# KiCad board panel.kicad_pcb (continued)
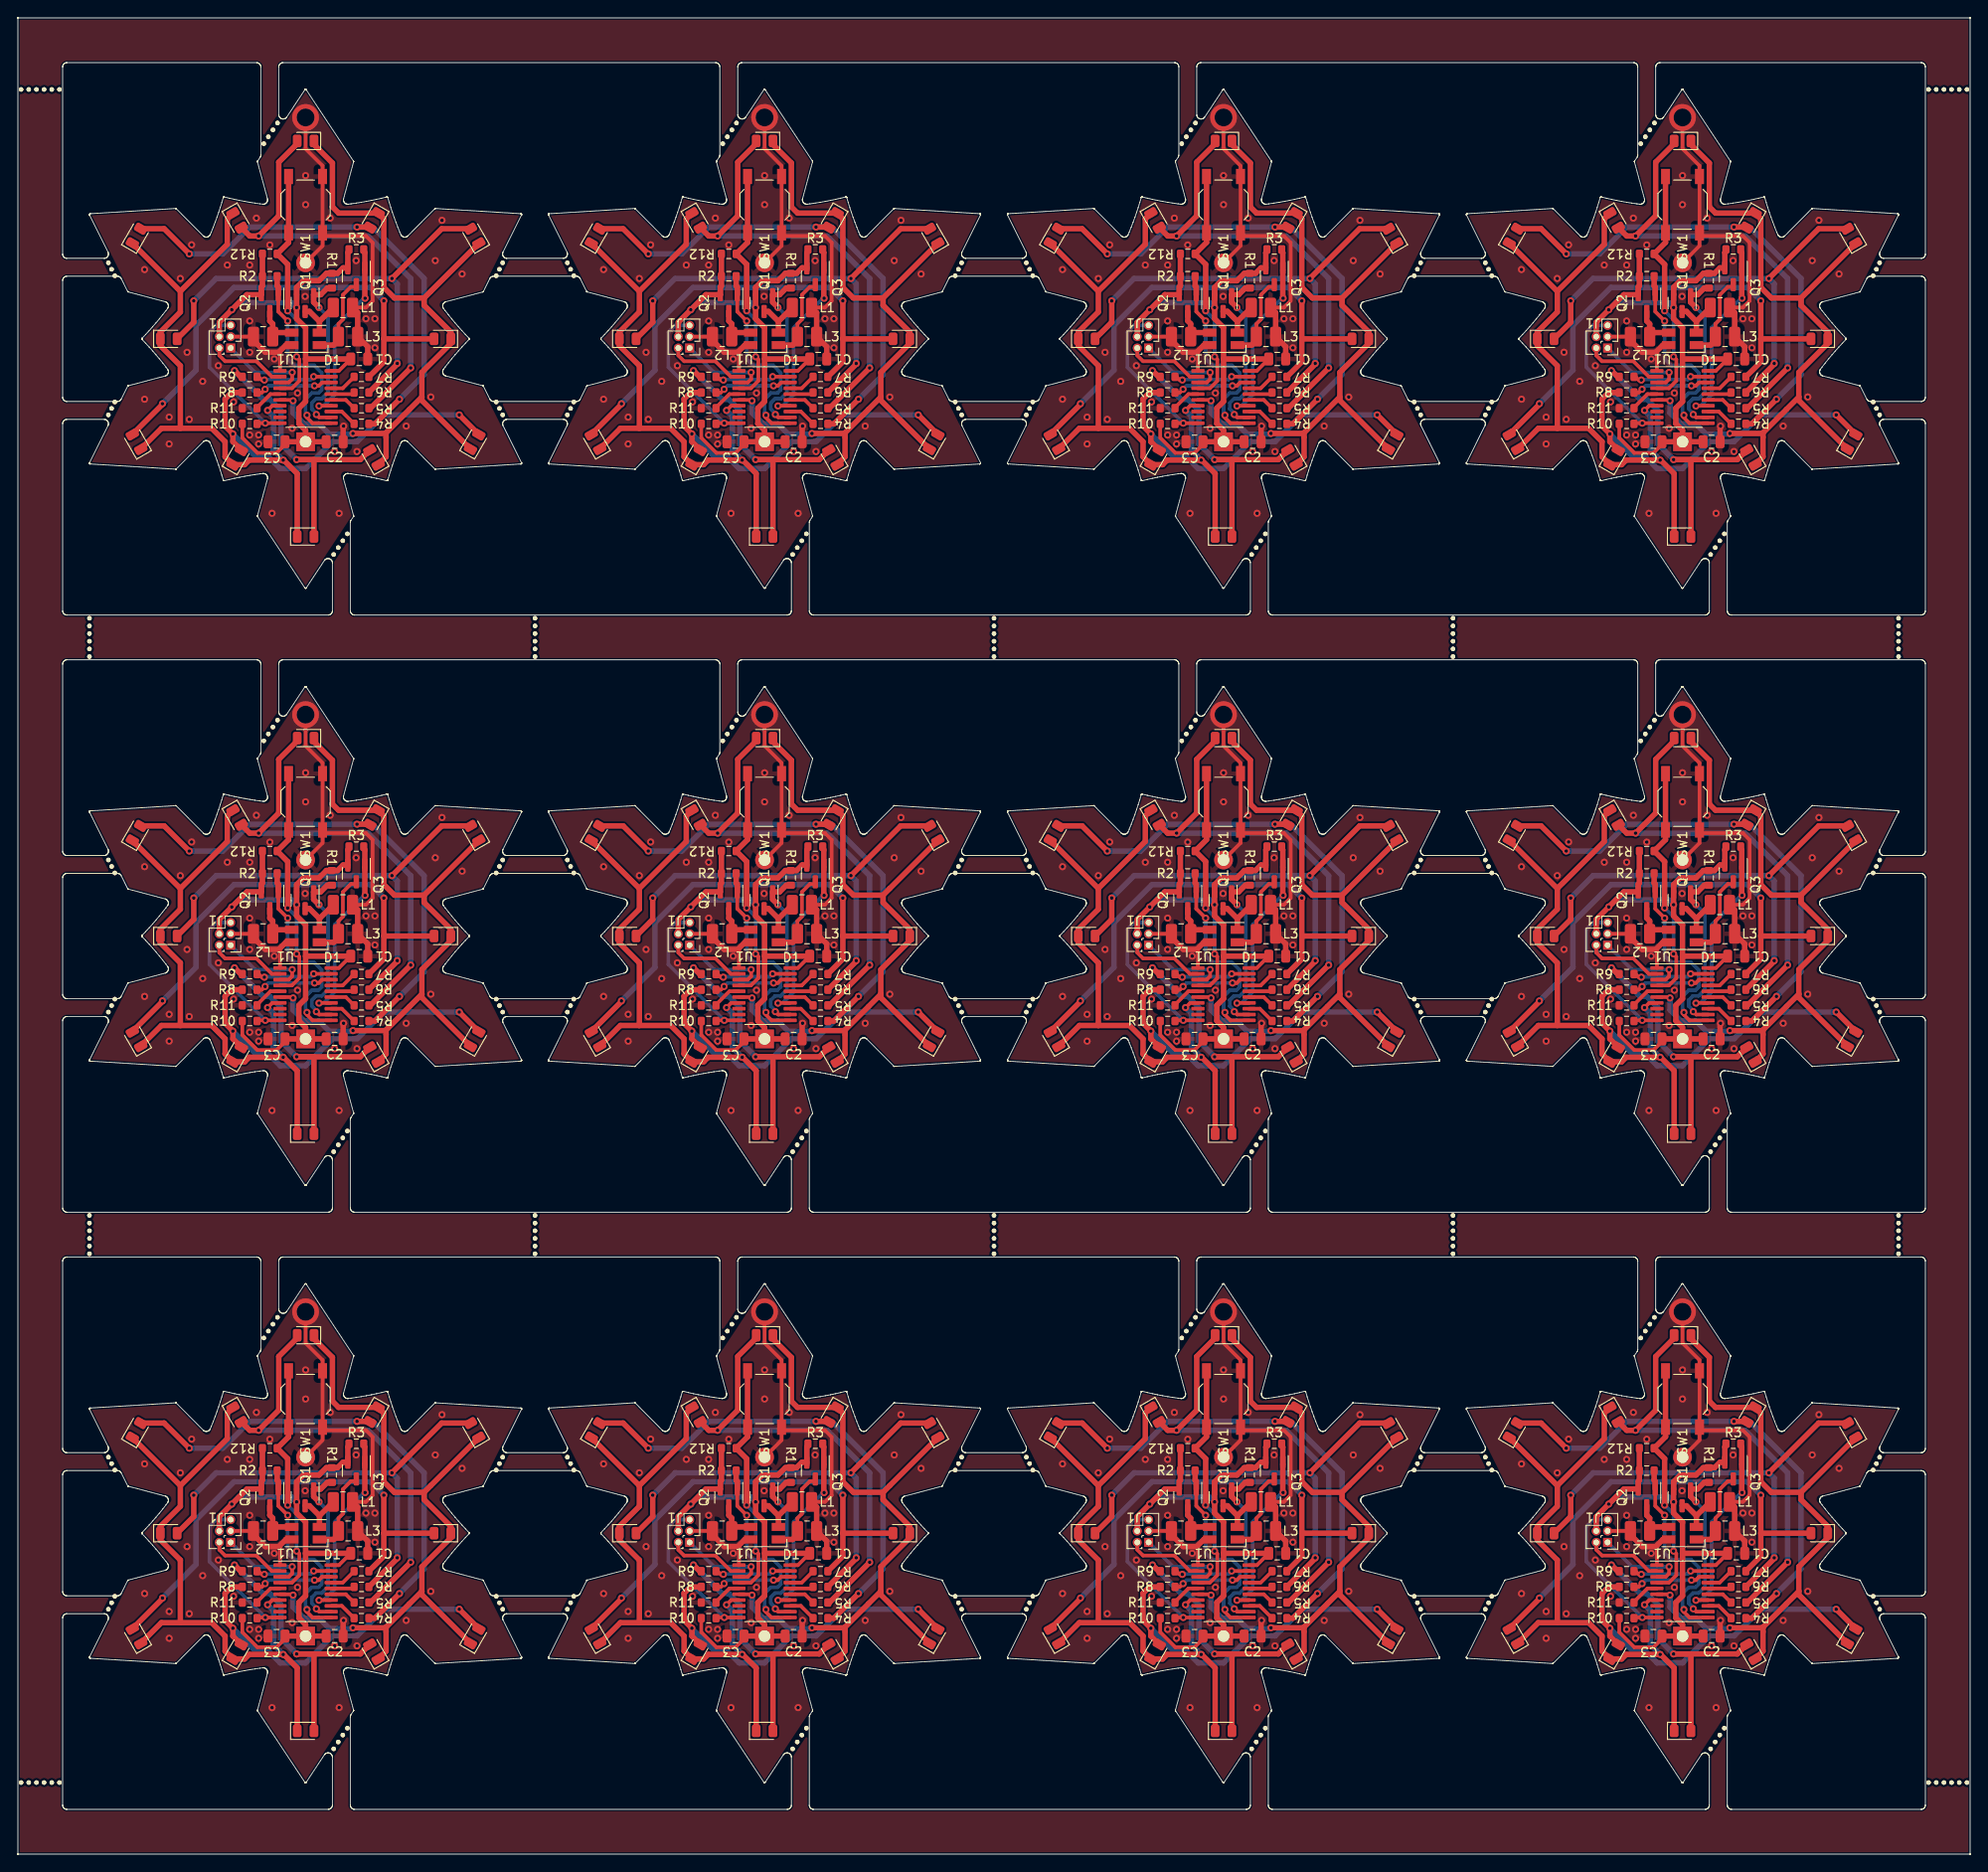
[diagram p0: board, top side]
## Routing (per net, layer and track width the routed paths; a pad name or vN(x,y) marks a point on that pad's centre or on a via; arc(x,y) is an arc through that point) (continued)
Board_5-Net-(U1-PB6/PF4-BOOT0): length 3.3
  Top w0.406: U1#2.5 79.55,96.46 78.05,94.96 R11#9.2
Board_5-VCC: length 67.1
  Top w0.406: C1#4.2 87.2,99.06 U1#2.20 ; R10#4.1 76.4,91.57 78.09,89.88 80.22,89.88 81.17,90.83 C3#11.1
  Top w0.61: 83.47,100.38 83.47,103.88 82.47,104.88 Q1#3.2 82.47,108.38 83.22,109.13 84.97,109.13 85.8,109.96 R1#2.1 87.05,109.96 87.66,110.57 Q3#10.2 ; 83.47,100.38 83.47,95.63 82.72,94.88 82.72,93.16 83.47,92.41 BT1#4.1 ; 83.47,100.38 C1#4.2 ; BT1#4.1 C2#3.1 ; BT1#4.1 C3#11.1 ; R12#3.2 R2#11.1 78.65,108.56 78.52,108.43 Q2#3.2 76.91,107.57 73.83,104.49 J1#4.4 ; 88.2,110.32 88.2,112.26 88.32,112.38
  Bottom w0.61: v1(75.22,105.88) 76.01,106.67 81.93,106.67 v1(82.47,106.13)
Board_6-/B: length 19.5
  Top w0.406: U1#11.12 136.31,93.86 v1(135.99,94.18)
  Top w0.61: v1(136.29,106.13) 135.69,106.73 Q1#11.1 136.47,107.57 137.21,108.31 R1#6.2
  Bottom w0.406: v1(135.99,94.18) 135.99,94.29 135.48,94.8 135.48,95.46 135.95,95.93 136.59,95.93 137.29,96.63 137.29,105.13 v1(136.29,106.13)
Board_6-/G: length 21.3
  Top w0.406: v1(136.29,95.13) 136.31,95.16 U1#11.14 ; 141.35,110.38 141.41,110.32
  Top w0.61: v1(141.44,107.17) 141.41,107.2 141.41,112.26 141.29,112.38
  Bottom w0.406: v1(141.44,107.17) 141.33,107.17 138.04,103.88 138.04,96.38 136.79,95.13 v1(136.29,95.13)
Board_6-/L1: length 3.1
  Top w0.406: U1#11.13 138.84,94.51 R4#11.2
Board_6-/L2: length 2.9
  Top w0.406: R5#5.2 139.29,95.81 U1#11.15
Board_6-/L3: length 2.6
  Top w0.406: U1#11.16 140.04,96.46 R6#7.2
Board_6-/L4: length 3.1
  Top w0.406: U1#11.17 138.94,97.11 R7#3.2
Board_6-/L5: length 8.8
  Top w0.406: U1#11.18 136.64,97.76 136.26,97.38 v1(135.79,97.38) ; v1(130.26,96.99) 129.9,96.63 R8.2
  Bottom w0.406: v1(135.79,97.38) 130.65,97.38 v1(130.26,96.99)
Board_6-/L6: length 8.6
  Top w0.406: v1(135.69,98.41) U1#11.19 ; R9#7.2 129.54,98.38 129.89,98.03 v1(130.18,98.03)
  Bottom w0.406: v1(130.18,98.03) 130.23,98.08 135.36,98.08 v1(135.69,98.41)
Board_6-/MPX1: length 81.4
  Top w0.406: v1(133.39,95.71) 133.29,95.81 U1#11.6
  Top w0.61: 148.04,107.2 D7#5.1 ; 148.04,107.2 144.72,107.2 143.54,108.38 143.54,116.06 D3#9.1 138.47,116.69 137.79,117.38 137.79,122.29 135.72,124.35 D5.1 ; 148.04,107.2 148.04,106.38 151.02,103.39 D9#6.1 151.02,102.12 147.79,98.88 147.79,96.13 ; 143.79,92.13 147.79,96.13 ; 143.79,92.13 143.71,92.06 v1(140.09,92.06) ; 143.79,92.13 143.79,89.45 D13#6.1 ; 147.79,96.13 147.79,95.75 D11#5.1
  Bottom w0.61: v1(140.09,92.06) 140.01,91.98 137.44,91.98 136.29,93.13 134.62,93.13 133.39,94.37 v1(133.39,95.71)
Board_6-/MPX2: length 72.8
  Top w0.406: U1#11.7 131.06,95.16 v1(130.54,94.63)
  Top w0.61: D8#2.1 118.67,92.63 120.79,92.63 ; 120.79,107.95 120.79,105.63 118.55,103.39 D6#9.1 118.55,101.87 120.79,99.63 120.79,92.63 ; 120.79,107.95 126.04,113.2 126.04,116.06 D4#11.1 ; 120.79,107.95 D2.1 ; 120.79,92.63 124.29,92.63 125.79,91.13 125.79,89.45 D10#2.1 127.97,88.57 128.48,89.08 v1(132.29,89.08) 132.34,89.08 133.85,87.57 D12#4.1
  Bottom w0.61: v1(130.54,94.63) 131.19,93.98 131.19,90.17 v1(132.29,89.08)
Board_6-/nRST: length 18
  Top w0.406: R10#10.2 129.44,93.21 U1#11.10
  Bottom w0.406: J1#9.5 124.8,104.15 124.04,103.38 124.04,99.46 v1(130.29,93.21)
Board_6-/R: length 23.4
  Top w0.406: U1#11.11 135.56,93.21 134.94,93.83 v1(134.94,94.09) ; v1(132.79,104.63) 131.74,105.68 Q2#11.1
  Top w0.61: R2#2.2 131.61,108.56 131.74,108.43 Q2#11.1
  Bottom w0.406: v1(132.79,104.63) 132.79,100.38 133.48,99.68 135.73,99.68 136.59,98.83 136.59,96.93 136.23,96.58 135.48,96.58 134.79,95.88 134.79,94.41 134.94,94.25 v1(134.94,94.09)
Board_6-/SWC: length 10.3
  Top w0.406: v1(133.29,98.88) 133.29,98.13 132.91,97.76 U1#11.3
  Bottom w0.406: J1#9.1 129.14,98.88 v1(133.29,98.88)
Board_6-/SWD: length 8.6
  Top w0.406: J1#9.2 125.14,100.78 125.79,100.13 129.29,100.13 131.01,98.41 U1#11.2
Board_6-GND: length 51.4
  Top w0.406: SW1#4.2 SW1#4.2 136.69,121.98 134.79,123.88 v2(134.79,127.38) ; SW1#4.2 136.69,113.03 BT1#5.2 ; SW1#4.2 137.04,114.13 141.54,114.13 142.29,113.38 142.29,106.88 141.54,106.13 L1.2 ; 131.79,101.13 131.92,100.99 U1#11.1 ; J1#9.3 128.96,102.88 L2.2
  Top w0.61: L1.2 140.61,105.56 L3#9.2 141.74,101.76 C1#11.1 ; D1#5.1 132.59,101.93 131.79,101.13 130.29,101.13 128.96,102.46 L2.2 ; v1(139.04,92.88) 138.99,92.83 C2#10.2
  vias: v1(116.79,110.38) v1(116.79,95.88) v1(119.54,93.88) v1(119.54,90.88) v1(120.79,109.38) v1(121.54,101.13) v1(121.79,93.63) v1(122.05,113.14) v1(123.29,97.88) v1(125.04,99.63) v1(126.04,110.88) v1(126.74,95.58) v1(128.54,110.88) v1(128.54,104.63) v1(128.54,101.13) v1(128.54,91.88) v1(129.29,116.13) v1(129.54,91.88) v1(129.54,90.88) v1(130.79,113.13) v1(131.04,83.13) v1(131.29,100.38) v1(133.29,92.63) v1(133.88,96.58) v1(134.74,107.38) v1(134.79,120.88) v1(134.79,117.63) v1(137.54,116.13) v1(138.04,90.03) v1(138.54,83.13) v1(140.44,111.38) v1(140.53,90.04) v1(141.54,104.88) v1(142.54,104.88) v1(142.54,101.63) v1(146.04,92.88) v1(148.79,96.13) v1(149.29,111.38) v1(150.04,115.88) v1(152.29,109.88)
Board_6-Net-(D1-BK): length 5.5
  Top w0.61: D1#5.4 136.34,104.58 ; 136.34,104.58 135.22,105.69 Q1#11.3 ; 136.34,104.58 L1.1
Board_6-Net-(D1-GK): length 9.5
  Top w0.406: L3#9.1 138.46,104.31 138.96,104.81 138.96,107.56 139.85,108.44 140.46,108.44
  Top w0.61: D1#5.3 137.92,101.93 138.46,102.47 L3#9.1
Board_6-Net-(D1-RK): length 5.3
  Top w0.61: Q2#11.3 130.79,104.63 131.11,104.31 L2.1 131.56,103.33 D1#5.2
Board_6-Net-(D2-A): length 57
  Top w0.61: R4#11.1 142.54,93.13 v1(145.29,95.88) ; v1(140.54,115.13) 141.91,115.13 D3#9.2 ; v1(121.79,112.13) 118.97,114.94 D2.2
  Bottom w0.61: 145.35,95.94 148.04,98.63 148.04,109.38 142.29,115.13 v1(140.54,115.13) 128.54,115.13 125.54,112.13 v1(121.79,112.13)
Board_6-Net-(D4-A): length 50.2
  Top w0.61: R5#5.1 142.04,94.88 v1(146.54,99.38) ; D4#11.2 128.54,114.13 v1(129.54,114.13) 131.79,116.38 131.79,122.38 133.85,124.44 D5.2
  Bottom w0.61: v1(146.54,99.38) 146.54,109.38 141.79,114.13 v1(129.54,114.13)
Board_6-Net-(D6-A): length 53.6
  Top w0.61: D7#5.2 150,114.94 v1(144.44,109.38) ; v1(122.29,106.88) 122.29,104.49 D6#9.2 ; v1(145.04,99.88) 145.04,99.81 R6#7.1
  Bottom w0.61: v1(145.04,99.88) 145.04,108.78 v1(144.44,109.38) 124.79,109.38 v1(122.29,106.88)
Board_6-Net-(D8-A): length 53.3
  Top w0.61: D9#6.2 143.54,102.63 ; 143.54,102.63 143.54,100.06 R7#3.1 ; 143.54,102.63 v1(143.54,106.88) ; D8#2.2 118.79,95.31
  Bottom w0.61: v1(143.54,106.88) 142.04,108.38 126.79,108.38 122.54,104.13 122.54,99.13 v1(118.79,95.38)
Board_6-Net-(D10-A): length 41.2
  Top w0.61: R8.1 126.51,96.63 125.79,95.91 125.79,92.88 v1(126.66,92.01) 126.66,91.14 D10#2.2 ; v1(151.97,94.13) D11#5.2
  Bottom w0.61: v1(151.97,94.13) 143.54,94.13 140.56,91.15 137.81,91.15 134.79,88.13 131.95,88.13 130.7,89.38 129.29,89.38 v1(126.66,92.01)
Board_6-Net-(D12-A): length 33.6
  Top w0.61: D13#6.2 140.91,89.13 v1(133.79,89.13) 135.72,89.13 D12#4.2 ; R9#7.1 127.54,98.38 v1(126.84,99.08)
  Bottom w0.61: v1(133.79,89.13) 132.04,90.88 132.04,94.63 130.79,95.88 130.04,95.88 v1(126.84,99.08)
Board_6-Net-(SW1A-A): length 26.9
  Top w0.406: U1#11.4 133.26,97.11 134.09,97.93 134.09,100.33 v1(133.79,100.63)
  Top w0.61: v1(132.79,105.77) 132.79,110.96 R12#7.1 132.89,113.41 SW1#4.1 SW1#4.1
  Bottom w0.406: v1(132.79,105.77) 133.79,104.77 v1(133.79,100.63)
Board_6-Net-(U1-PB6/PF4-BOOT0): length 3.3
  Top w0.406: U1#11.5 130.86,96.46 129.36,94.96 R11#2.2
Board_6-VCC: length 67.1
  Top w0.406: R10#10.1 127.71,91.57 129.4,89.88 131.54,89.88 132.49,90.83 C3#12.1 ; C1#11.2 138.51,99.06 U1#11.20
  Top w0.61: R12#7.2 R2#2.1 129.96,108.56 129.84,108.43 Q2#11.2 128.22,107.57 125.14,104.49 J1#9.4 ; 134.79,100.38 134.79,103.88 133.79,104.88 Q1#11.2 133.79,108.38 134.54,109.13 136.29,109.13 137.11,109.96 R1#6.1 138.36,109.96 138.97,110.57 Q3#5.2 ; 134.79,100.38 134.79,95.63 134.04,94.88 134.04,93.16 134.79,92.41 BT1#5.1 ; 134.79,100.38 C1#11.2 ; BT1#5.1 C3#12.1 ; BT1#5.1 C2#10.1 ; 139.51,110.32 139.51,112.26 139.64,112.38
  Bottom w0.61: v1(133.79,106.13) 133.25,106.67 127.33,106.67 v1(126.54,105.88)
Board_7-/B: length 19.5
  Top w0.406: v1(187.3,94.18) 187.62,93.86 U1#3.12
  Top w0.61: v1(187.6,106.13) 187,106.73 Q1#12.1 187.79,107.57 188.52,108.31 R1#5.2
  Bottom w0.406: v1(187.6,106.13) 188.6,105.13 188.6,96.63 187.9,95.93 187.27,95.93 186.79,95.46 186.79,94.8 187.3,94.29 v1(187.3,94.18)
Board_7-/G: length 21.3
  Top w0.406: v1(187.6,95.13) 187.62,95.16 U1#3.14 ; 192.66,110.38 192.72,110.32
  Top w0.61: 192.6,112.38 192.72,112.26 192.72,107.2 v1(192.75,107.17)
  Bottom w0.406: v1(192.75,107.17) 192.64,107.17 189.35,103.88 189.35,96.38 188.1,95.13 v1(187.6,95.13)
Board_7-/L1: length 3.1
  Top w0.406: R4#12.2 190.15,94.51 U1#3.13
Board_7-/L2: length 2.9
  Top w0.406: U1#3.15 190.6,95.81 R5#9.2
Board_7-/L3: length 2.6
  Top w0.406: R6#12.2 191.35,96.46 U1#3.16
Board_7-/L4: length 3.1
  Top w0.406: R7#10.2 190.25,97.11 U1#3.17
Board_7-/L5: length 8.8
  Top w0.406: v1(187.1,97.38) 187.57,97.38 187.95,97.76 U1#3.18 ; R8#8.2 181.21,96.63 v1(181.57,96.99)
  Bottom w0.406: v1(181.57,96.99) 181.96,97.38 v1(187.1,97.38)
Board_7-/L6: length 8.6
  Top w0.406: v1(181.49,98.03) 181.2,98.03 180.85,98.38 R9#6.2 ; v1(187,98.41) U1#3.19
  Bottom w0.406: v1(187,98.41) 186.67,98.08 181.54,98.08 v1(181.49,98.03)
Board_7-/MPX1: length 81.4
  Top w0.406: U1#3.6 184.6,95.81 v1(184.7,95.71)
  Top w0.61: D11#11.1 199.1,95.75 199.1,96.13 ; 199.1,96.13 195.1,92.13 ; 199.1,96.13 199.1,98.88 202.34,102.12 D9#4.1 202.34,103.39 199.35,106.38 199.35,107.2 ; 199.35,107.2 196.03,107.2 194.85,108.38 194.85,116.06 D3.1 189.79,116.69 189.1,117.38 189.1,122.29 187.04,124.35 D5#4.1 ; 199.35,107.2 D7#12.1 ; D13#4.1 195.1,89.45 195.1,92.13 ; 195.1,92.13 195.02,92.06 v1(191.4,92.06)
  Bottom w0.61: v1(184.7,95.71) 184.7,94.37 185.93,93.13 187.6,93.13 188.75,91.98 191.32,91.98 v1(191.4,92.06)
Board_7-/MPX2: length 72.8
  Top w0.406: U1#3.7 182.37,95.16 v1(181.85,94.63)
  Top w0.61: D12#3.1 185.16,87.57 183.65,89.08 v1(183.6,89.08) 179.8,89.08 179.29,88.57 D10#5.1 177.1,89.45 177.1,91.13 175.6,92.63 172.1,92.63 ; 172.1,92.63 169.98,92.63 D8#5.1 ; 172.1,92.63 172.1,99.63 169.86,101.87 D6#10.1 169.86,103.39 172.1,105.63 172.1,107.95 ; D4#9.1 177.35,116.06 177.35,113.2 172.1,107.95 ; 172.1,107.95 D2#4.1
  Bottom w0.61: v1(181.85,94.63) 182.5,93.98 182.5,90.17 v1(183.6,89.08)
Board_7-/nRST: length 18
  Top w0.406: R10#9.2 180.75,93.21 U1#3.10
  Bottom w0.406: v1(181.6,93.21) 175.35,99.46 175.35,103.38 176.11,104.15 J1#2.5
Board_7-/R: length 23.4
  Top w0.406: U1#3.11 186.87,93.21 186.25,93.83 v1(186.25,94.09) ; Q2#4.1 183.05,105.68 v1(184.1,104.63)
  Top w0.61: R2#4.2 182.92,108.56 183.05,108.43 Q2#4.1
  Bottom w0.406: v1(186.25,94.09) 186.25,94.25 186.1,94.41 186.1,95.88 186.79,96.58 187.54,96.58 187.9,96.93 187.9,98.83 187.04,99.68 184.79,99.68 184.1,100.38 v1(184.1,104.63)
Board_7-/SWC: length 10.3
  Top w0.406: v1(184.6,98.88) 184.6,98.13 184.22,97.76 U1#3.3
  Bottom w0.406: v1(184.6,98.88) 180.45,98.88 J1#2.1
Board_7-/SWD: length 8.6
  Top w0.406: U1#3.2 182.32,98.41 180.6,100.13 177.1,100.13 176.45,100.78 J1#2.2
Board_7-GND: length 51.4
  Top w0.406: L1#6.2 192.85,106.13 193.6,106.88 193.6,113.38 192.85,114.13 188.35,114.13 SW1.2 ; SW1.2 SW1.2 188,121.98 186.1,123.88 v2(186.1,127.38) ; SW1.2 188,113.03 BT1#3.2 ; L2#6.2 180.27,102.88 J1#2.3 ; U1#3.1 183.24,100.99 183.1,101.13
  Top w0.61: C2#5.2 190.3,92.83 v1(190.35,92.88) ; L2#6.2 180.27,102.46 181.6,101.13 183.1,101.13 183.9,101.93 D1#10.1 ; C1.1 193.05,101.76 L3.2 191.92,105.56 L1#6.2
  vias: v1(168.1,110.38) v1(168.1,95.88) v1(170.85,93.88) v1(170.85,90.88) v1(172.1,109.38) v1(172.85,101.13) v1(173.1,93.63) v1(173.36,113.14) v1(174.6,97.88) v1(176.35,99.63) v1(177.35,110.88) v1(178.05,95.58) v1(179.85,110.88) v1(179.85,104.63) v1(179.85,101.13) v1(179.85,91.88) v1(180.6,116.13) v1(180.85,91.88) v1(180.85,90.88) v1(182.1,113.13) v1(182.35,83.13) v1(182.6,100.38) v1(184.6,92.63) v1(185.19,96.58) v1(186.05,107.38) v1(186.1,120.88) v1(186.1,117.63) v1(188.85,116.13) v1(189.35,90.03) v1(189.85,83.13) v1(191.75,111.38) v1(191.85,90.04) v1(192.85,104.88) v1(193.85,104.88) v1(193.85,101.63) v1(197.35,92.88) v1(200.1,96.13) v1(200.6,111.38) v1(201.35,115.88) v1(203.6,109.88)
Board_7-Net-(D1-BK): length 5.5
  Top w0.61: D1#10.4 187.65,104.58 ; 187.65,104.58 L1#6.1 ; 187.65,104.58 186.54,105.69 Q1#12.3
Board_7-Net-(D1-GK): length 9.5
  Top w0.406: 191.77,108.44 191.16,108.44 190.27,107.56 190.27,104.81 189.77,104.31 L3.1
  Top w0.61: D1#10.3 189.24,101.93 189.77,102.47 L3.1
Board_7-Net-(D1-RK): length 5.3
  Top w0.61: Q2#4.3 182.1,104.63 182.42,104.31 L2#6.1 182.87,103.33 D1#10.2
Board_7-Net-(D2-A): length 57
  Top w0.61: D3.2 193.22,115.13 v1(191.85,115.13) ; R4#12.1 193.85,93.13 v1(196.6,95.88) ; v1(173.1,112.13) 170.29,114.94 D2#4.2
  Bottom w0.61: 196.66,95.94 199.35,98.63 199.35,109.38 193.6,115.13 v1(191.85,115.13) 179.85,115.13 176.85,112.13 v1(173.1,112.13)
Board_7-Net-(D4-A): length 50.2
  Top w0.61: R5#9.1 193.35,94.88 v1(197.85,99.38) ; D5#4.2 185.16,124.44 183.1,122.38 183.1,116.38 v1(180.85,114.13) 179.85,114.13 D4#9.2
  Bottom w0.61: v1(197.85,99.38) 197.85,109.38 193.1,114.13 v1(180.85,114.13)
Board_7-Net-(D6-A): length 53.6
  Top w0.61: v1(196.35,99.88) 196.35,99.81 R6#12.1 ; D6#10.2 173.6,104.49 v1(173.6,106.88) ; v1(195.75,109.38) 201.31,114.94 D7#12.2
  Bottom w0.61: v1(196.35,99.88) 196.35,108.78 v1(195.75,109.38) 176.1,109.38 v1(173.6,106.88)
Board_7-Net-(D8-A): length 53.3
  Top w0.61: v1(194.85,106.88) 194.85,102.63 ; 194.85,102.63 194.85,100.06 R7#10.1 ; 194.85,102.63 D9#4.2 ; D8#5.2 170.1,95.31
  Bottom w0.61: v1(194.85,106.88) 193.35,108.38 178.1,108.38 173.85,104.13 173.85,99.13 v1(170.1,95.38)
Board_7-Net-(D10-A): length 41.2
  Top w0.61: D10#5.2 177.97,91.14 v1(177.97,92.01) 177.1,92.88 177.1,95.91 177.82,96.63 R8#8.1 ; v1(203.28,94.13) D11#11.2
  Bottom w0.61: v1(177.97,92.01) 180.6,89.38 182.02,89.38 183.27,88.13 186.1,88.13 189.12,91.15 191.87,91.15 194.85,94.13 v1(203.28,94.13)
Board_7-Net-(D12-A): length 33.6
  Top w0.61: R9#6.1 178.85,98.38 v1(178.15,99.08) ; D13#4.2 192.22,89.13 v1(185.1,89.13) 187.04,89.13 D12#3.2
  Bottom w0.61: v1(185.1,89.13) 183.35,90.88 183.35,94.63 182.1,95.88 181.35,95.88 v1(178.15,99.08)
Board_7-Net-(SW1A-A): length 26.9
  Top w0.406: U1#3.4 184.57,97.11 185.4,97.93 185.4,100.33 v1(185.1,100.63)
  Top w0.61: v1(184.1,105.77) 184.1,110.96 R12#8.1 184.2,113.41 SW1.1 SW1.1
  Bottom w0.406: v1(185.1,100.63) 185.1,104.77 v1(184.1,105.77)
Board_7-Net-(U1-PB6/PF4-BOOT0): length 3.3
  Top w0.406: U1#3.5 182.17,96.46 180.67,94.96 R11#8.2
Board_7-VCC: length 67.1
  Top w0.406: C3#3.1 183.8,90.83 182.85,89.88 180.71,89.88 179.02,91.57 R10#9.1 ; C1.2 189.82,99.06 U1#3.20
  Top w0.61: 186.1,100.38 C1.2 ; 186.1,100.38 186.1,103.88 185.1,104.88 Q1#12.2 185.1,108.38 185.85,109.13 187.6,109.13 188.42,109.96 R1#5.1 189.67,109.96 190.29,110.57 Q3#4.2 ; 186.1,100.38 186.1,95.63 185.35,94.88 185.35,93.16 186.1,92.41 BT1#3.1 ; J1#2.4 176.45,104.49 179.54,107.57 Q2#4.2 181.15,108.43 181.27,108.56 R2#4.1 R12#8.2 ; BT1#3.1 C2#5.1 ; BT1#3.1 C3#3.1 ; 190.95,112.38 190.82,112.26 190.82,110.32
  Bottom w0.61: v1(177.85,105.88) 178.64,106.67 184.56,106.67 v1(185.1,106.13)
Board_8-/B: length 19.5
  Top w0.406: U1.12 33.69,27.1 v1(33.37,27.42)
  Top w0.61: v1(33.66,39.38) 33.06,39.98 Q1#7.1 33.85,40.81 34.59,41.55 R1#8.2
  Bottom w0.406: v1(33.66,39.38) 34.66,38.38 34.66,29.88 33.97,29.18 33.33,29.18 32.86,28.71 32.86,28.04 33.37,27.53 v1(33.37,27.42)
Board_8-/G: length 21.3
  Top w0.406: 38.72,43.63 38.79,43.56 ; U1.14 33.69,28.4 v1(33.66,28.38)
  Top w0.61: v1(38.82,40.42) 38.79,40.45 38.79,45.5 38.66,45.63
  Bottom w0.406: v1(33.66,28.38) 34.16,28.38 35.41,29.63 35.41,37.13 38.7,40.42 v1(38.82,40.42)
Board_8-/L1: length 3.1
  Top w0.406: U1.13 36.21,27.75 R4#10.2
Board_8-/L2: length 2.9
  Top w0.406: R5#3.2 36.66,29.05 U1.15
Board_8-/L3: length 2.6
  Top w0.406: U1.16 37.41,29.7 R6#8.2
Board_8-/L4: length 3.1
  Top w0.406: U1.17 36.31,30.35 R7#8.2
Board_8-/L5: length 8.8
  Top w0.406: R8#10.2 27.28,29.88 v1(27.64,30.24) ; U1.18 34.01,31 33.64,30.63 v1(33.16,30.63)
  Bottom w0.406: v1(33.16,30.63) 28.03,30.63 v1(27.64,30.24)
Board_8-/L6: length 8.6
  Top w0.406: U1.19 33.07,31.65 v1(33.07,31.65) ; R9#5.2 26.91,31.63 27.26,31.27 v1(27.55,31.27)
  Bottom w0.406: v1(33.07,31.65) 32.74,31.32 27.6,31.32 v1(27.55,31.27)
Board_8-/MPX1: length 81.4
  Top w0.406: U1.6 30.67,29.05 v1(30.76,28.96)
  Top w0.61: 45.16,29.38 41.16,25.38 ; 45.16,29.38 45.16,28.99 D11#6.1 ; 45.16,29.38 45.16,32.13 48.4,35.36 D9.1 48.4,36.64 45.41,39.63 45.41,40.44 ; 41.16,25.38 41.09,25.3 v1(37.46,25.3) ; 41.16,25.38 41.16,22.69 D13#7.1 ; D7#2.1 45.41,40.44 ; 45.41,40.44 42.09,40.44 40.91,41.63 40.91,49.31 D3#12.1 35.85,49.94 35.16,50.63 35.16,55.53 33.1,57.59 D5#12.1
  Bottom w0.61: v1(37.46,25.3) 37.38,25.22 34.82,25.22 33.66,26.38 32,26.38 30.76,27.61 v1(30.76,28.96)
Board_8-/MPX2: length 72.8
  Top w0.406: v1(27.91,27.88) 28.44,28.4 U1.7
  Top w0.61: D4#2.1 23.41,49.31 23.41,46.44 18.16,41.19 ; D8#8.1 16.04,25.88 18.16,25.88 ; D12#2.1 31.22,20.81 29.71,22.32 v1(29.66,22.32) 25.86,22.32 25.35,21.81 D10#11.1 23.16,22.69 23.16,24.38 21.66,25.88 18.16,25.88 ; 18.16,41.19 D2#11.1 ; 18.16,41.19 18.16,38.88 15.92,36.64 D6#8.1 15.92,35.11 18.16,32.88 18.16,25.88
  Bottom w0.61: v1(29.66,22.32) 28.57,23.42 28.57,27.22 v1(27.91,27.88)
Board_8-/nRST: length 18
  Top w0.406: U1.10 26.81,26.45 R10.2
  Bottom w0.406: J1#8.5 22.18,37.39 21.41,36.63 21.41,32.7 v1(27.66,26.45)
Board_8-/R: length 23.4
  Top w0.406: v1(32.32,27.34) 32.32,27.07 32.94,26.45 U1.11 ; Q2#6.1 29.11,38.93 v1(30.16,37.88)
  Top w0.61: R2#12.2 28.99,41.8 29.11,41.68 Q2#6.1
  Bottom w0.406: v1(30.16,37.88) 30.16,33.63 30.86,32.93 33.11,32.93 33.97,32.07 33.97,30.18 33.61,29.82 32.86,29.82 32.16,29.13 32.16,27.65 32.32,27.5 v1(32.32,27.34)
Board_8-/SWC: length 10.3
  Top w0.406: U1.3 30.29,31 30.66,31.38 v1(30.66,32.13)
  Bottom w0.406: v1(30.66,32.13) 26.51,32.13 J1#8.1
Board_8-/SWD: length 8.6
  Top w0.406: J1#8.2 22.52,34.02 23.16,33.38 26.66,33.38 28.39,31.65 U1.2
Board_8-GND: length 51.4
  Top w0.406: v2(32.16,60.63) 32.16,57.13 34.06,55.23 SW1#9.2 SW1#9.2 ; U1.1 29.3,34.24 29.16,34.38 ; SW1#9.2 34.06,46.28 BT1#10.2 ; SW1#9.2 34.41,47.38 38.91,47.38 39.66,46.63 39.66,40.13 38.91,39.38 L1#11.2 ; J1#8.3 26.33,36.12 L2#8.2
  Top w0.61: C1#8.1 39.11,35 L3#11.2 37.99,38.8 L1#11.2 ; L2#8.2 26.34,35.7 27.66,34.38 29.16,34.38 29.96,35.18 D1.1 ; C2#4.2 36.36,26.08 v1(36.41,26.13)
  vias: v1(14.16,43.63) v1(14.16,29.13) v1(16.91,27.13) v1(16.91,24.13) v1(18.16,42.63) v1(18.91,34.38) v1(19.16,26.88) v1(19.43,46.39) v1(20.66,31.13) v1(22.41,32.88) v1(23.41,44.13) v1(24.11,28.83) v1(25.91,44.13) v1(25.91,37.88) v1(25.91,34.38) v1(25.91,25.13) v1(26.66,49.38) v1(26.91,25.13) v1(26.91,24.13) v1(28.16,46.38) v1(28.41,16.38) v1(28.66,33.63) v1(30.66,25.88) v1(31.26,29.82) v1(32.16,54.13) v1(32.16,50.88) v1(32.11,40.63) v1(34.91,49.38) v1(35.41,23.28) v1(35.91,16.38) v1(37.81,44.63) v1(37.91,23.28) v1(38.91,38.13) v1(39.91,38.13) v1(39.91,34.88) v1(43.41,26.13) v1(46.16,29.38) v1(46.66,44.63) v1(47.41,49.13) v1(49.66,43.13)
Board_8-Net-(D1-BK): length 5.5
  Top w0.61: D1.4 33.71,37.83 ; 33.71,37.83 32.6,38.94 Q1#7.3 ; 33.71,37.83 L1#11.1
Board_8-Net-(D1-GK): length 9.5
  Top w0.406: L3#11.1 35.84,37.55 36.34,38.05 36.34,40.8 37.22,41.69 37.84,41.69
  Top w0.61: D1.3 35.3,35.18 35.84,35.71 L3#11.1
Board_8-Net-(D1-RK): length 5.3
  Top w0.61: D1.2 28.94,36.58 L2#8.1 28.49,37.55 28.16,37.88 Q2#6.3
Board_8-Net-(D2-A): length 57
  Top w0.61: v1(37.91,48.38) 39.28,48.38 D3#12.2 ; R4#10.1 39.91,26.38 v1(42.66,29.13) ; D2#11.2 16.35,48.19 v1(19.16,45.38)
  Bottom w0.61: 42.72,29.18 45.41,31.88 45.41,42.63 39.66,48.38 v1(37.91,48.38) 25.91,48.38 22.91,45.38 v1(19.16,45.38)
Board_8-Net-(D4-A): length 50.2
  Top w0.61: v1(43.91,32.63) 39.41,28.13 R5#3.1 ; D5#12.2 31.22,57.69 29.16,55.63 29.16,49.63 v1(26.91,47.38) 25.92,47.38 D4#2.2
  Bottom w0.61: v1(26.91,47.38) 39.16,47.38 43.91,42.63 v1(43.91,32.63)
Board_8-Net-(D6-A): length 53.6
  Top w0.61: v1(42.41,33.13) 42.41,33.05 R6#8.1 ; D6#8.2 19.66,37.74 v1(19.66,40.13) ; v1(41.82,42.63) 47.38,48.19 D7#2.2
  Bottom w0.61: v1(42.41,33.13) 42.41,42.03 v1(41.82,42.63) 22.16,42.63 v1(19.66,40.13)
Board_8-Net-(D8-A): length 53.3
  Top w0.61: 40.91,35.88 40.91,33.3 R7#8.1 ; 40.91,35.88 D9.2 ; 40.91,35.88 v1(40.91,40.13) ; D8#8.2 16.16,28.56
  Bottom w0.61: v1(40.91,40.13) 39.41,41.63 24.16,41.63 19.91,37.38 19.91,32.38 v1(16.16,28.63)
Board_8-Net-(D10-A): length 41.2
  Top w0.61: D10#11.2 24.04,24.38 v1(24.04,25.25) 23.16,26.13 23.16,29.15 23.88,29.88 R8#10.1 ; v1(49.34,27.38) D11#6.2
  Bottom w0.61: v1(24.04,25.25) 26.66,22.63 28.08,22.63 29.33,21.38 32.16,21.38 35.18,24.4 37.93,24.4 40.91,27.38 v1(49.34,27.38)
Board_8-Net-(D12-A): length 33.6
  Top w0.61: v1(24.21,32.33) 24.91,31.63 R9#5.1 ; D12#2.2 33.1,22.38 v1(31.16,22.38) 38.28,22.38 D13#7.2
  Bottom w0.61: v1(31.16,22.38) 29.41,24.13 29.41,27.88 28.16,29.13 27.41,29.13 v1(24.21,32.33)
Board_8-Net-(SW1A-A): length 26.9
  Top w0.406: U1.4 30.64,30.35 31.47,31.18 31.47,33.57 v1(31.16,33.88)
  Top w0.61: v1(30.16,39.01) 30.16,44.2 R12#5.1 30.26,46.65 SW1#9.1 SW1#9.1
  Bottom w0.406: v1(31.16,33.88) 31.16,38.01 v1(30.16,39.01)
Board_8-Net-(U1-PB6/PF4-BOOT0): length 3.3
  Top w0.406: U1.5 28.24,29.7 26.74,28.2 R11#6.2
Board_8-VCC: length 67.1
  Top w0.406: U1.20 35.89,32.3 C1#8.2 ; C3#8.1 29.86,24.08 28.91,23.13 26.78,23.13 25.09,24.81 R10.1
  Top w0.61: 32.16,33.63 32.16,28.88 31.41,28.13 31.41,26.4 32.16,25.65 BT1#10.1 ; 32.16,33.63 32.16,37.13 31.16,38.13 Q1#7.2 31.16,41.63 31.91,42.38 33.66,42.38 34.49,43.2 R1#8.1 35.74,43.2 36.35,43.81 Q3#8.2 ; 32.16,33.63 C1#8.2 ; 36.89,43.56 36.89,45.5 37.01,45.63 ; J1#8.4 22.52,37.73 25.6,40.81 Q2#6.2 27.21,41.68 27.34,41.8 R2#12.1 R12#5.2 ; BT1#10.1 C2#4.1 ; BT1#10.1 C3#8.1
  Bottom w0.61: v1(23.91,39.13) 24.7,39.92 30.62,39.92 v1(31.16,39.38)
Board_9-/B: length 19.5
  Top w0.406: U1#8.12 85,27.1 v1(84.68,27.42)
  Top w0.61: R1#12.2 85.9,41.55 85.16,40.81 Q1#5.1 84.37,39.98 v1(84.97,39.38)